# Altium PCB as_x31.PcbDoc (part 6 of 6) (continued)
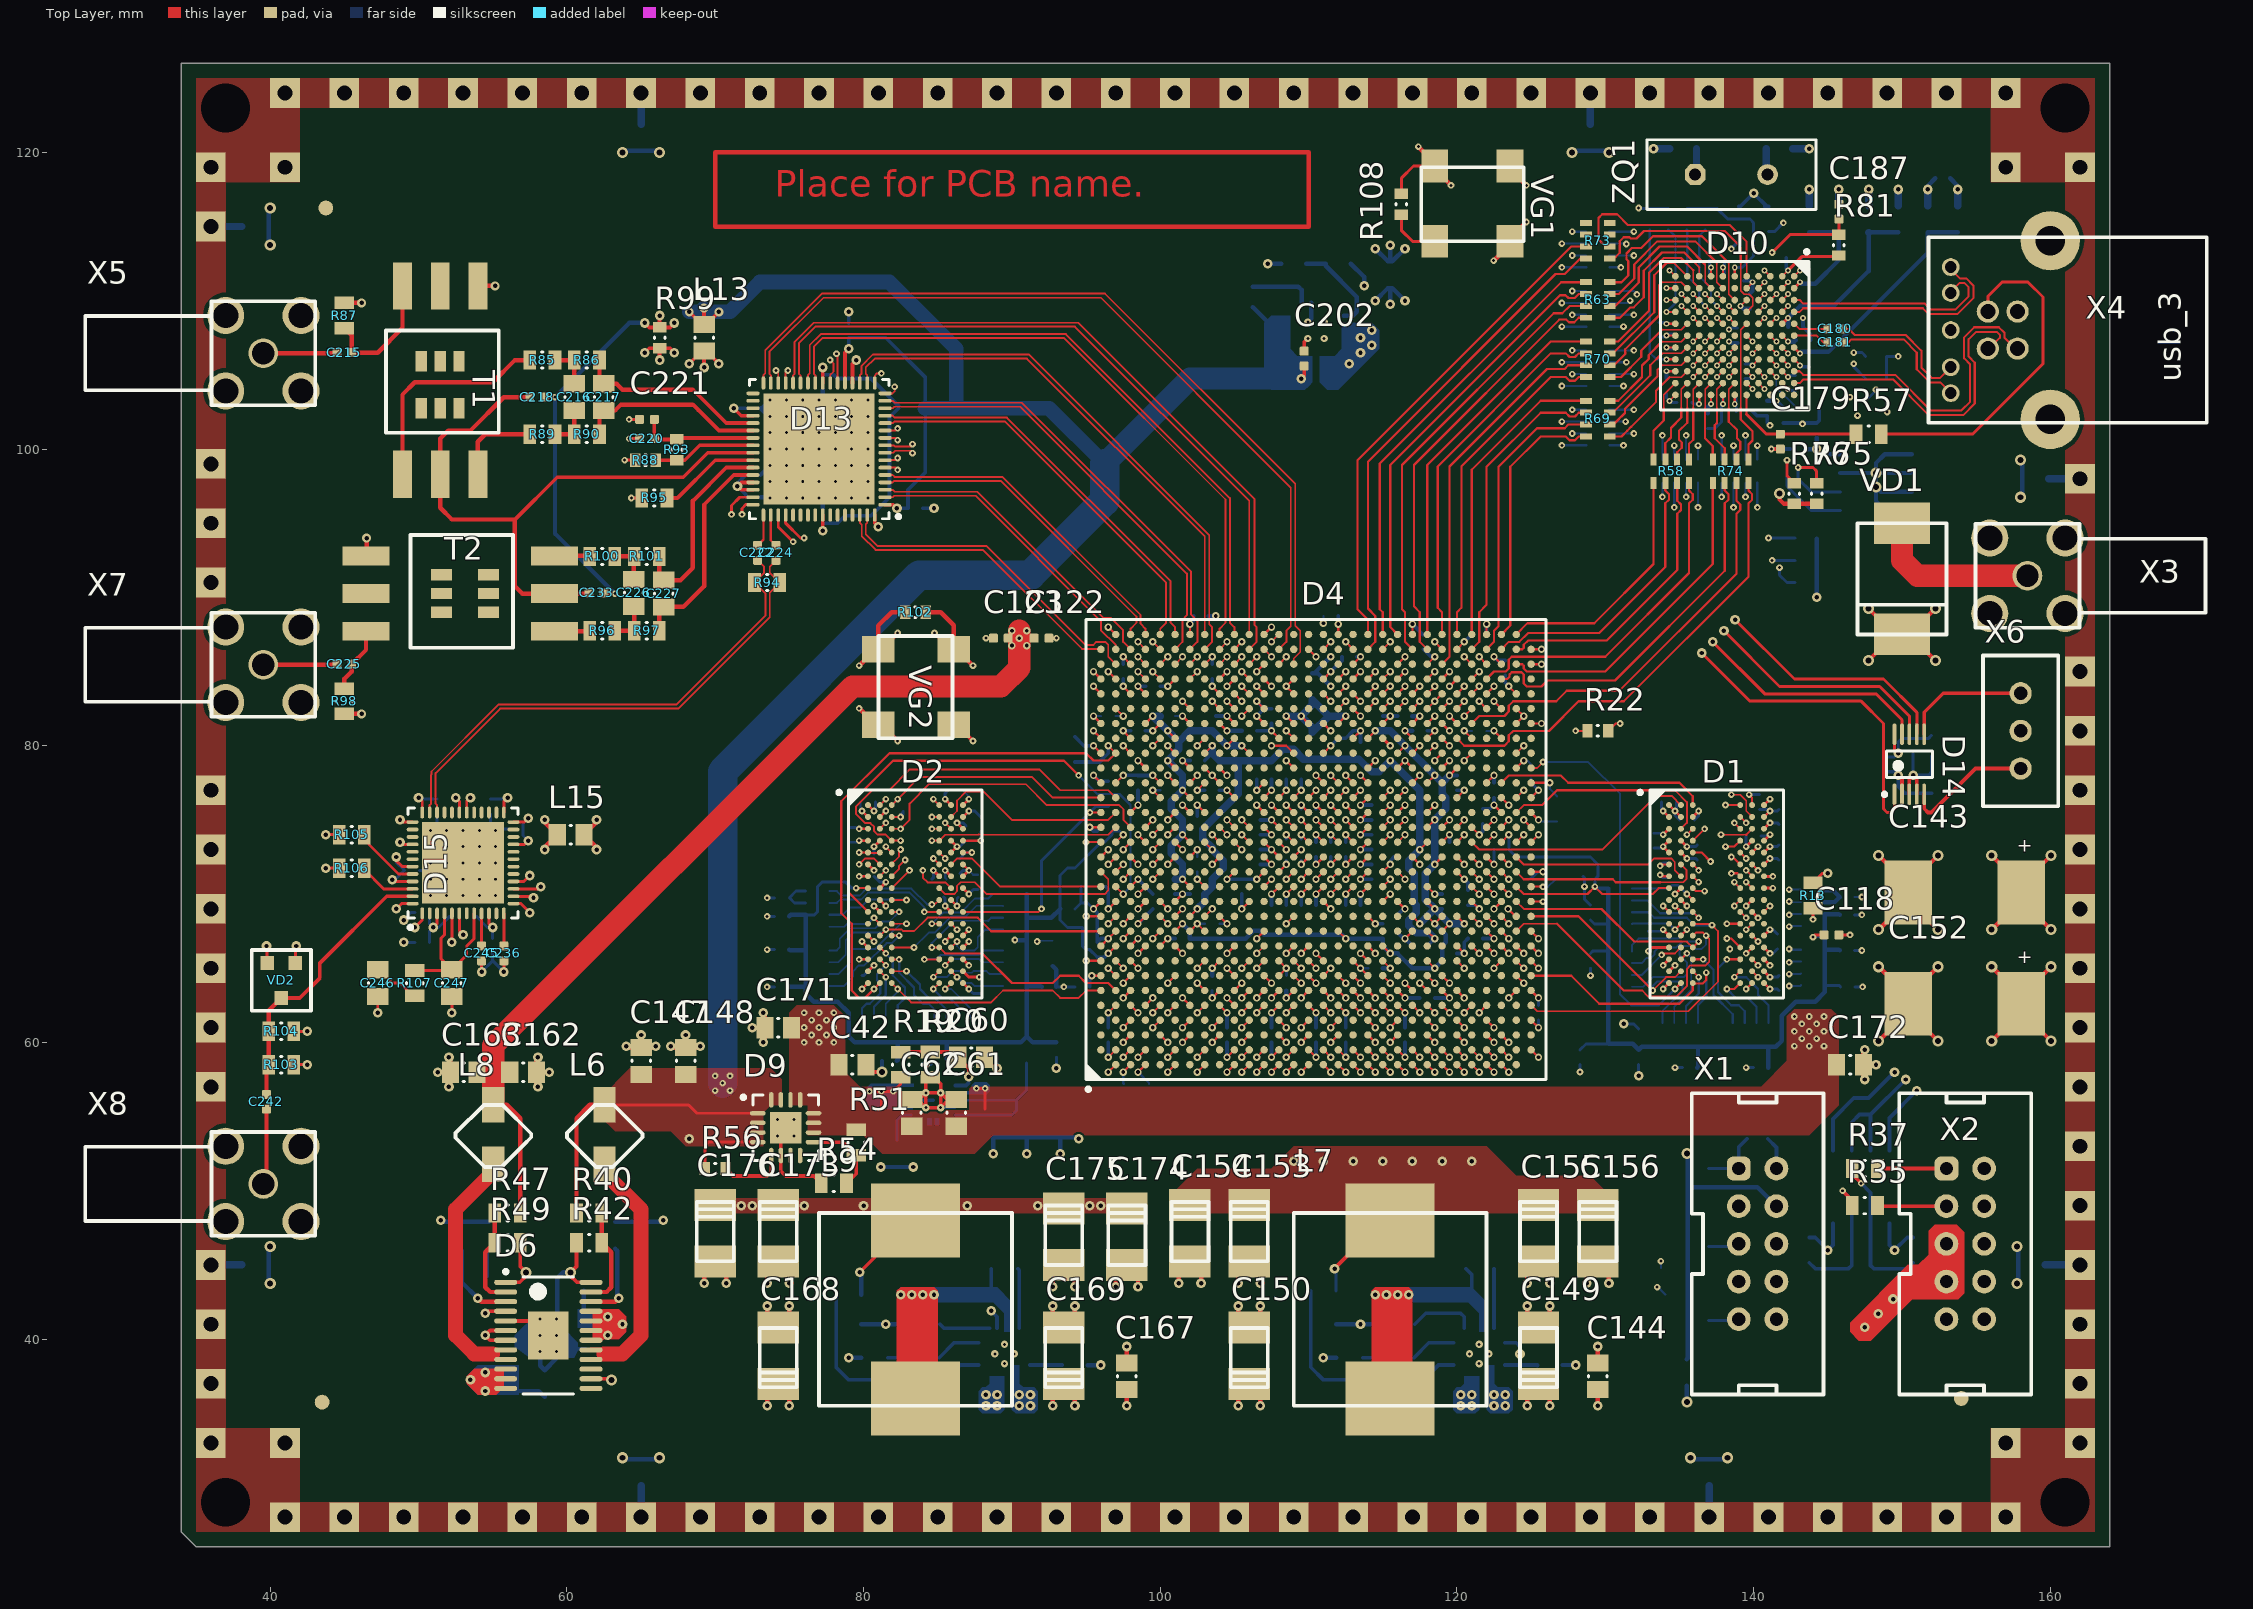
[diagram p0: Top Layer view]
## Nets (pads, with @x,y where several pads share a name; then routed paths per layer and width w, separated by ;. In a path a pad name is that pad's centre, name@x,y a point inside that pad or via, vN(x,y) a via of type N, cw(c..) or ccw(c..) an arc to the next point about the centre after c; other vN are vias at no path point) (continued)
  other v3: 53.5,37.25 54.5,37.75 62.75,40.25 147.5,40.8 63.75,41 62.75,41.5 148.4,41.7 149.4,42.7 71.75,49 72.5,49 76,49 80,49 87,49 91.75,49 95.25,49 96,49 42.5,58.5
VCC_AUX: C82.2 C83.2 C84.2 C85.2 C86.2 D4.AC10 D4.AC16 D4.AD22 D4.G11 D4.H16 D4.H22 L4.1 | length 50.3
  Top Layer w0.15: D4.G11@102,68.5 v1(102.5,69) ; D4.H16@103,73.5 v1(103.5,73) ; D4.H22@103,79.5 v1(103.5,80) ; v1(117.5,73) D4.AC16@118,73.5 ; D4.AC10@118,67.5 v1(118.5,67) ; v1(118.5,79) D4.AD22@119,79.5
  int_2 w0.3: v1(115.5,79) 116.25,78.25 116.75,78.25 117,78.5 117.5,79 v1(118.5,79)
  Bottom Layer w0.25: C86.2@103,79 103.5,79.5 ; C83.2@118,66.5 v1(118.5,67)
  Bottom Layer w0.5: v1(102.5,69) 103,69.5 C82.2@103,70 103.5,70.5 103.5,71 104.25,71.75 104.25,72.25 v1(103.5,73) 103.5,73.116 102.875,73.741 102.875,74.375 105.25,76.75 105.25,79 ; v1(103.5,80) 103.5,79.5 104,79 107.5,79 108.25,79.75 109,79.75 109.65,79.1 L4.1@110.25,79.1 113.4,79.1 114.25,78.25 114.75,78.25 v1(115.5,79) 117.5,77 v1(117.5,73) 116.75,72.25 116.75,71.75 117.125,71.375 117.125,69.375 117.25,69.25 117.25,68.75 116.75,68.25 116.75,67.866 117.241,67.375 118.125,67.375 v1(118.5,67)
VCC_PLL: C70.2 C71.2 C72.2 C73.2 C74.2 D4.AB6 D4.AB23 D4.J8 D4.J24 D4.K6 D4.P6 D4.V6 D4.Y8 L3.1 | length 90.1
  Top Layer w0.15: v1(103.5,65) D4.J8@104,65.5 ; D4.J24@104,81.5 v1(104.5,81) ; D4.K6@105,63.5 v1(105.5,64) ; v1(108.5,63) D4.P6@109,63.5 ; D4.V6@113,63.5 v1(113.5,63) ; D4.Y8@115,65.5 v1(115.5,65) ; v1(116.5,64) D4.AB6@117,63.5 ; v1(116.5,81) D4.AB23@117,80.5
  int_1 w0.3: v1(103.5,65) 103.5,64.5 104,64 v1(105.5,64) 106.5,64 107.75,65.25 107.75,68.5 105.75,70.5 105.75,71.5 106.5,72.25 106.5,75 105.75,75.75 105.75,77.25 106.5,78 108.75,78 109.5,78.75 109.5,81 111,82.5 ; v1(104.5,81) 104.75,81.25 106.75,81.25 110.5,85 ; v1(108.5,63) 109.25,62.25 109.75,62.25 112.75,65.25 112.75,66.25 113.025,66.525 113.25,66.75 113.25,68.5 114.25,69.5 ; v1(111.5,86) 110.5,85 ; v1(113.5,63) v1(115.5,65) ; v1(116.5,64) v1(115.5,65) ; v1(116.5,81) 115.5,81 114.25,79.75 113.75,79.75 ; 110.5,85 v1(111.5,84) 110.75,83.25 110.75,82.75 111,82.5 ; 111,82.5 113.75,79.75 ; 113.75,79.75 113.75,78.75 114.25,78.25 114.25,69.5 ; 114.25,69.5 115.25,68.5 115.25,67.25 116.25,66.25 116.25,65.75 v1(115.5,65)
  Bottom Layer w0.3: C71.2@103.5,64.5 v1(103.5,65) ; v1(104.5,81) C73.2@105.5,81 ; v1(108.5,63) C70.2@108.5,63.5 ; L3.1@110.25,84.9 L3.1@110.4,84.9 ; v1(111.5,84) 110.6,84.9 L3.1@110.4,84.9 ; v1(111.5,86) L3.1@110.4,84.9 ; C74.2@115,65 v1(115.5,65) ; v1(116.5,81) C72.2@117,81
VCCPGM: C95.2 C96.2 C109.2 C110.2 D4.AB24 D4.AC8 D4.AC11 D4.AD11 D4.F10 D4.U10 D4.Y9 L5.1 R25.1 R26.1 R27.2 R28.2 R29.2 R30.1 R31.1 R32.1 X1.4 | length 153.6
  Top Layer w0.15: D4.F10@101,67.5 v1(101.5,68) ; D4.U10@112,67.5 v1(112.5,67) ; D4.Y9@115,66.5 v1(115.5,66) ; D4.AC8@118,65.5 v1(118.5,65) ; D4.AC11@118,68.5 v1(118.5,68) D4.AD11@119,68.5
  Top Layer w0.2: D4.AB24@117,81.5 v1(117.5,82)
  int_2 w0.2: v1(117.5,82) 117,81.5 116,81.5 114,79.5 114,78.5 114.5,78 114.5,69.75 118.5,65.75 v1(118.5,65)
  int_2 w0.3: v1(118.5,65) 119.5,65 124.75,59.75 124.75,58.25 126,57 128.75,57 133.25,52.5 v6(135.5,52.5) 137,54 150.5,54 153.75,57.25 153.75,77.75 144.25,87.25 v3(144.25,90)
  Bottom Layer w0.3: v1(101.5,68) 102,67.5 C95.2@102,67 105.758,67 106.283,67.525 106.718,67.525 106.993,67.25 112.25,67.25 v1(112.5,67) C110.2@115,67 115,66.5 v1(115.5,66) 116,66 117,65 v1(118.5,65) 119,65.5 C109.2@119,66 119,66.5 119.25,66.75 119.25,67.25 v1(118.5,68) ; C96.2@117,82 v1(117.5,82) ; L5.1@135.5,38.65 135.55,38.7 R27.2@135.55,41.25 R25.1@135.55,46.25 135.55,50.25 ; v6(135.5,52.5) 135.55,52.45 R26.1@135.55,51.5 135.55,50.25 ; X1.4@141.54,48.96 140.25,50.25 135.55,50.25 ; v3(144.25,90) 144.25,92.5 R31.1@144.25,93.95
VREF: C220.1 C221.1 D13.39 R93.2 | length 7.9
  Top Layer w0.25: C221.1@65.9,102 C220.1@65.9,100.7 65.95,100.65 R93.2@67.4,100.65 ; R93.2@67.5,100.75 D13.39@72.55,100.75
VREFDDR0: C3.1 C5.1 C7.1 C9.1 C11.1 C13.1 C15.2 C16.2 C19.2 C20.2 C118.2 C119.2 D1.H1 D1.M8 D4.AH16 D4.AJ13 L1.2 R1.3 R1.4 R3.1 R3.2 R3.3 R3.4 R4.1 R4.2 R4.3 R4.4 R6.1 R6.2 R6.3 R6.4 R9.1 R9.2 R9.3 R9.4 R11.1 R11.2 R11.3 R11.4 | length 71.5
  Top Layer w0.15: D4.AH16@123,73.5 v1(123.5,74) ; D4.AJ13@124,70.5 124.5,70 128.8,70 v2(129.3,70.5) 129.8,70 133.2,70 133.6,70.4 D1.H1@134.3,70.4 ; D1.M8@139.9,67.2 v2(140.3,66.8)
  Top Layer w0.2: v2(144,67.1) 144.15,67.25 C118.2@144.75,67.25
  int_1 w0.15: v2(140.3,66.8) 140.4,66.9 143.8,66.9 v2(144,67.1)
  Bottom Layer w0.15: v2(144,67.1) 144.7,67.1 144.8,67
  Bottom Layer w0.2: v1(123.5,74) C19.2@123.5,73 124,72.5 129,72.5 129.5,72 129.5,71.2 129.3,71 v2(129.3,70.5) ; C15.2@128.3,59.5 128.7,59.9 L1.2@130.25,59.9 ; C13.1@129,66 129.15,66.15 R3.4@130.2,66.15 ; C119.2@129,68.25 129.275,67.975 R4.1@130.2,67.975 ; R6.4@144.8,63.85 145.75,63.85 C16.2@145.85,63.75
  Bottom Layer w0.3: v2(129.3,70.5) 129.425,70.375 R4.4@130.2,70.375 R4.3@130.2,69.575 R4.2@130.2,68.775 R4.1@130.2,67.975 R3.4@130.2,66.15 R3.3@130.2,65.35 R3.2@130.2,64.55 R3.1@130.2,63.75 130.2,59.95 L1.2@130.25,59.9 131.85,59.9 C20.2@132.25,59.5 132.45,59.7 R9.4@133.85,59.7 R9.1@136.25,59.7 ; C9.1@136.2,58.3 136.25,58.35 R9.1@136.25,59.7 ; C7.1@141,58.3 R11.1@141,59.7 ; C5.1@145.8,66.2 145.75,66.25 R6.1@144.8,66.25 ; C3.1@145.8,68.6 145.75,68.65 R1.3@144.8,68.65 R1.4@144.8,67.85 R6.1@144.8,66.25 ; R9.1@136.25,59.7 R11.4@138.6,59.7 R11.3@139.4,59.7 R11.2@140.2,59.7 R11.1@141,59.7 ; R11.1@141,59.7 141.5,59.7 141.9,60.1 141.9,61.8 142.85,62.75 144.15,62.75 144.8,63.4 R6.4@144.8,63.85 R6.1@144.8,66.25
VREFDDR1: C4.1 C6.1 C8.1 C10.1 C12.1 C14.1 C17.2 C18.2 C21.2 C22.2 C120.2 C121.2 D2.H1 D2.M8 D4.B9 D4.B16 L2.2 R2.1 R2.2 R5.1 R5.2 R5.3 R5.4 R7.1 R7.2 R7.3 R7.4 R8.1 R8.2 R8.3 R8.4 R10.1 R10.2 R10.3 R10.4 R12.1 R12.2 R12.3 R12.4 | length 71.9
  Top Layer w0.15: v2(79.5,70.4) D2.H1@80.3,70.4 ; v2(85.5,66.8) D2.M8@85.9,67.2 ; v1(96.5,66) D4.B9@97,66.5 ; D4.B16@97,73.5 v1(97.5,74)
  int_1 w0.15: v2(85.5,66.8) 85.699,66.8 86.124,66.375 89.675,66.375 v2(90.2,66.9)
  Bottom Layer w0.2: R2.2@76.1,68.6 76.7,68.6 76.9,68.8 76.9,70.5 77.2,70.8 78.8,70.8 79.2,70.4 v2(79.5,70.4) ; C21.2@95.75,65.75 95.25,66.25 95,66.25 94.75,66.5 C121.2@94.75,67.75 93.75,67.75 93.25,68.25 C14.1@93.25,69 93.25,71.25 93.75,71.75 94.25,71.75 96,73.5 96.25,73.5 96.75,74 C120.2@96.75,74.25 97.25,74.25 v1(97.5,74)
  Bottom Layer w0.25: C21.2@95.75,65.75 96.25,65.75 v1(96.5,66)
  Bottom Layer w0.3: C17.2@75,63.75 76.05,63.75 R5.1@76.1,63.8 ; C6.1@75,66.25 75.05,66.2 R5.4@76.1,66.2 ; C4.1@75,68.5 75.1,68.6 R2.2@76.1,68.6 R2.1@76.1,67.8 R5.4@76.1,66.2 ; C8.1@82.25,58.75 82.3,58.8 R10.1@82.3,60 ; C10.1@85.75,58.75 85.6,58.9 R8.3@85.6,60 ; v2(90.2,66.9) 91,66.9 ; R7.1@91,70 R7.3@91,68.4 ; C12.1@92,63.75 91.95,63.8 R12.4@91,63.8 ; C18.2@93,60 91.4,60 L2.2@91,60.4 ; C14.1@93.25,69 92.65,68.4 R7.3@91,68.4 ; R5.1@76.1,63.8 R5.2@76.1,64.6 R5.3@76.1,65.4 R5.4@76.1,66.2 ; R5.1@76.1,63.8 76.1,63.3 76.65,62.75 78.25,62.75 79,62 79,60.4 79.4,60 R10.4@79.9,60 R10.3@80.7,60 R10.2@81.5,60 R10.1@82.3,60 ; R10.1@82.3,60 R8.3@85.6,60 ; R8.3@85.6,60 R8.1@87.2,60 C22.2@89,60 90.6,60 L2.2@91,60.4 ; L2.2@91,60.4 91,61.9 R12.4@91,63.8 ; R12.4@91,63.8 R12.3@91,64.6 R12.2@91,65.4 R12.1@91,66.2 91,66.9 ; 91,66.9 R7.3@91,68.4
pads on no net: 1.0 2.0 3.0 ?.0 D1.J1 D1.J9 D1.L1 D1.L9 D1.M7 D2.J1 D2.J9 D2.L1 D2.L9 D2.M7 D3.9 D4.A2 D4.A3 D4.A4 D4.A5 D4.A21 D4.A25 D4.A28 D4.AA7 D4.AA8 D4.AA9 D4.AA10 D4.AA11 D4.AA13 D4.AA15 D4.AA20 D4.AA23 D4.AA24 D4.AA29 D4.AB3 D4.AB4 D4.AB7 D4.AB8 D4.AB9 D4.AB12 D4.AB13 D4.AB14 D4.AB16 D4.AB17 D4.AB18 D4.AB19 D4.AB27 D4.AB28 D4.AC9 D4.AC14 D4.AC15 D4.AC19 D4.AC21 D4.AD3 D4.AD4 D4.AD8 D4.AD9 D4.AD12 D4.AD13 D4.AD14 D4.AD18 D4.AD19 D4.AD20 D4.AE5 D4.AE7 D4.AE10 D4.AE12 D4.AE13 D4.AE18 D4.AE20 D4.AE22 D4.AE28 D4.AF3 D4.AF4 D4.AF6 D4.AF7 D4.AF8 D4.AF10 D4.AF18 D4.AF19 D4.AF20 D4.AF21 D4.AG6 D4.AG7 D4.AG8 D4.AG12 D4.AG18 D4.AG19 D4.AG21 D4.AG22 D4.AG23 D4.AG24 D4.AH4 D4.AH5 D4.AH6 D4.AH7 D4.AH21 D4.AH22 D4.AH24 D4.AH26 D4.AJ1 D4.AJ2 D4.AJ3 D4.AJ4 D4.AJ5 D4.AJ17 D4.AJ20 D4.AJ23 D4.AJ27 D4.AK3 D4.AK15 D4.AK22 D4.AK23 D4.AK25 D4.AK26 D4.AK27 D4.B3 D4.B4 D4.B21 D4.B23 D4.B24 D4.B26 D4.C12 D4.C19 D4.C20 D4.C21 D4.C24 D4.C25 D4.C27 D4.D3 D4.D4 D4.D6 D4.D7 D4.D8 D4.D10 D4.D14 D4.D15 D4.D18 D4.D19 D4.D20 D4.D22 D4.D23 D4.D25 D4.E1 D4.E2 D4.E6 D4.E7 D4.E8 D4.E13 D4.E18 D4.E21 D4.E22 D4.E25 D4.E26 D4.F3 D4.F4 D4.F6 D4.F8 D4.F13 D4.F14 D4.F19 D4.F24 D4.F25 D4.F26 D4.G1 D4.G2 D4.G6 D4.G7 D4.G8 D4.G9 D4.G12 D4.G14 D4.G17 D4.G22 D4.G23 D4.G26 D4.H3 D4.H4 D4.H7 D4.H9 D4.H12 D4.H14 D4.H15 D4.H17 D4.H19 D4.H24 D4.H25 D4.H26 D4.H27 D4.J1 D4.J2 D4.J7 D4.J9 D4.J10 D4.J12 D4.J13 D4.J14 D4.J18 D4.J19 D4.J22 D4.J23 D4.K3 D4.K4 D4.K8 D4.K10 D4.K11 D4.K12 D4.K13 D4.K15 D4.K18 D4.K20 D4.K21 D4.K22 D4.L7 D4.L9 D4.L10 D4.L11 D4.L13 D4.L14 D4.L15 D4.L18 D4.L19 D4.L20 D4.L21 D4.L23 D4.L24 D4.M3 D4.M4 D4.M11 D4.M12 D4.M21 D4.M22 D4.M23 D4.N9 D4.N10 D4.N11 D4.N12 D4.N20 D4.N21 D4.N22 D4.N24 D4.N25 D4.N26 D4.N27 D4.P3 D4.P4 D4.P10 D4.P12 D4.P20 D4.P25 D4.P29 D4.P30 D4.R10 D4.R11 D4.R12 D4.R20 D4.R21 D4.R22 D4.R23 D4.R25 D4.R26 D4.R27 D4.R28 D4.R30 D4.T3 D4.T4 D4.T9 D4.T10 D4.T11 D4.T21 D4.T23 D4.T25 D4.T28 D4.T30 D4.U8 D4.U9 D4.U11 D4.U12 D4.U21 D4.U22 D4.U23 D4.U28 D4.U29 D4.V3 D4.V4 D4.V9 D4.V10 D4.V11 D4.V12 D4.V21 D4.V22 D4.V24 D4.V30 D4.W10 D4.W12 D4.W22 D4.W24 D4.W28 D4.Y3 D4.Y4 D4.Y10 D4.Y11 D4.Y15 D4.Y20 D4.Y21 D4.Y22 D4.Y28 D6.13 D6.15 D7.10 D8.14 D9.7 D9.8 D10.A11 D10.B11 D10.C2 D10.C4 D10.C10 D10.D1 D10.D6 D10.D11 D10.E7 D10.E8 D10.F2 D10.F6 D12.7 D12.8 D13.33 D13.34 D13.35 D13.53 D13.54 D13.55 D13.56 D13.58 D13.59 D13.60 D13.61 D15.2 D15.7 D15.11 D15.17 D15.18 D15.19 D15.20 D15.22 D15.23 D15.26 D15.27 D15.28 D15.29 D15.32 D15.33 D15.38 D15.39 D15.41 D15.42 R73.1 R73.2 R73.7 R73.8 T1.5 T1.11 T1.12 T1.13 T1.14 T1.15 T1.16 T2.5 T2.11 T2.12 T2.13 T2.14 T2.15 T2.16 X1.6 X1.7 X1.8
copper on no net: | length 90
  Top Layer w0.3: 70,115 110,115 110,120 105,120 70,120 70,115

## Polygon pours and split planes (outlines as drawn)
V3P3D on Top Layer "tl_3v3_source" (solid, remove dead copper, pour order 78): 98.5,48.5 98.5,49.5 69.5,49.5 69.5,48.5
V1P1D on Top Layer "Top Layer-v1p1d" (solid, remove dead copper, pour order 77): 109,53 122,53 124,51 129,51 130,50 130,49.04 129.5,48.5 101.5,48.5 101,49 101,50 102.5,51.5 107.5,51.5
SHIELD on Top Layer "case" (solid, pour order 64): 156.5,27 156.5,29 41.5,29 41.5,27
SHIELD on Top Layer "case" (solid, pour order 56): 37,33.5 37,118.5 35,118.5 35,33.5
SHIELD on Top Layer "case" (solid, pour order 46): 161,33.5 163,33.5 163,118.5 161,118.5
SHIELD on Top Layer "Top Layer-No Net 1" (solid, pour order 55): 42,27 42,34 35,34 35,27
SHIELD on Top Layer "Top Layer-No Net 1" (solid, pour order 63): 163,27 163,34 156,34 156,27
SHIELD on Top Layer "Top Layer-No Net 1" (solid, pour order 68): 163,118 156,118 156,125 163,125
SHIELD on Top Layer "Top Layer-No Net 1" (solid, pour order 72): 156.5,123 156.5,125 41.5,125 41.5,123
SHIELD on Top Layer "Top Layer-No Net 1" (solid, pour order 76): 42,118 42,125 35,125 35,118
V1P5D on Top Layer "tl_1v5" (solid, pour order 51): 88.75,54 88.75,53.75 87.5,52.5 81.25,52.5 80,53.75 79.75,53.75 80,54
V1P8D on Top Layer "tl_1v8" (solid, pour order 42): 74.5,56 74.5,57.5 73.75,58.25 64.25,58.25 62.25,56.25 62.25,55 63.25,54 67,54 68,53 73.25,53 73.25,55.25 73.75,55.75 74.25,55.75
V1P5D on Top Layer "tl_1v5" (solid, pour order 48): 145.75,61.75 145.25,62.25 142.75,62.25 142.25,61.75 142.25,58.75 140.5,57 79.75,57 78.75,58 78.75,61.75 78,62.5 75.5,62.5 75,62 75,55.75 76.25,55.75 76.25,53.75 143.75,53.75 145.75,55.75
SHIELD on Bottom Layer "case" (solid, pour order 62): 156.5,27 156.5,29 41.5,29 41.5,27
SHIELD on Bottom Layer "case" (solid, pour order 54): 37,33.5 37,118.5 35,118.5 35,33.5
SHIELD on Bottom Layer "case" (solid, pour order 45): 161,33.5 163,33.5 163,118.5 161,118.5
SHIELD on Bottom Layer "Top Layer-No Net 1" (solid, pour order 53): 42,27 42,34 35,34 35,27
SHIELD on Bottom Layer "Top Layer-No Net 1" (solid, pour order 61): 163,27 163,34 156,34 156,27
SHIELD on Bottom Layer "Top Layer-No Net 1" (solid, pour order 67): 163,118 156,118 156,125 163,125
SHIELD on Bottom Layer "Top Layer-No Net 1" (solid, pour order 71): 156.5,123 156.5,125 41.5,125 41.5,123
SHIELD on Bottom Layer "Top Layer-No Net 1" (solid, pour order 75): 42,118 42,125 35,125 35,118
0V on Bottom Layer "0v_9517" (solid, remove dead copper, pour order 43): 49,77.5 57.75,77.5 58.75,76.5 58.75,68.5 56.5,66.25 48.5,66.25 47.5,67.25 47.5,76
V0P75D on Bottom Layer "bl_0v75" (solid, pour order 44): 130.5,58 131,57.5 131,56.5 129.5,55 86.25,55 86.25,56.25 89.75,56.25 90.25,56.75 90.25,58 90.75,58.5 91.25,58.5 91.75,58 91.75,56.75 92.25,56.25 128.75,56.25 129.5,57 129.5,57.5 130,58
SHIELD on int_2 "case" (solid, pour order 60): 156.5,27 156.5,29 41.5,29 41.5,27
SHIELD on int_2 "case" (solid, pour order 52): 37,33.5 37,118.5 35,118.5 35,33.5
SHIELD on int_2 "case" (solid, pour order 41): 161,33.5 163,33.5 163,118.5 161,118.5
SHIELD on int_2 "Top Layer-No Net 1" (solid, pour order 50): 42,27 42,34 35,34 35,27
SHIELD on int_2 "Top Layer-No Net 1" (solid, pour order 59): 163,27 163,34 156,34 156,27
SHIELD on int_2 "Top Layer-No Net 1" (solid, pour order 66): 163,118 156,118 156,125 163,125
SHIELD on int_2 "Top Layer-No Net 1" (solid, pour order 70): 156.5,123 156.5,125 41.5,125 41.5,123
SHIELD on int_2 "Top Layer-No Net 1" (solid, pour order 74): 42,118 42,125 35,125 35,118
SHIELD on int_1 "case" (solid, pour order 58): 156.5,27 156.5,29 41.5,29 41.5,27
SHIELD on int_1 "case" (solid, pour order 49): 37,33.5 37,118.5 35,118.5 35,33.5
SHIELD on int_1 "case" (solid, pour order 40): 161,33.5 163,33.5 163,118.5 161,118.5
SHIELD on int_1 "Top Layer-No Net 1" (solid, pour order 47): 42,27 42,34 35,34 35,27
SHIELD on int_1 "Top Layer-No Net 1" (solid, pour order 57): 163,27 163,34 156,34 156,27
SHIELD on int_1 "Top Layer-No Net 1" (solid, pour order 65): 163,118 156,118 156,125 163,125
SHIELD on int_1 "Top Layer-No Net 1" (solid, pour order 69): 156.5,123 156.5,125 41.5,125 41.5,123
SHIELD on int_1 "Top Layer-No Net 1" (solid, pour order 73): 42,118 42,125 35,125 35,118
0VA on Ground_1 (split plane): 60.857,110.857 63.857,107.857 64.357,107.357 64.399,107.325 64.448,107.305 64.5,107.298 69.916,107.298 72.857,104.357 72.899,104.325 72.948,104.305 73,104.298 80.916,104.298 81.298,103.916 81.298,96.084 80.916,95.702 73.084,95.702 72.643,96.143 72.143,96.643 72.101,96.675 72.052,96.695 72,96.702 71,96.702 70.948,96.695 70.899,96.675 70.857,96.643 69.857,95.643 69.825,95.601 69.805,95.552 69.798,95.5 69.798,89.084 68.357,87.643 65.916,85.202 52.5,85.202 52.448,85.195 52.399,85.175 52.381,85.161 52.357,85.143 47.916,80.702 34.352,80.702 34.352,111.298 43.5,111.298 43.552,111.305 43.601,111.325 43.643,111.357 45.584,113.298 58.416,113.298
0V on Ground_1 (split plane): 163.648,26.352 35.146,26.352 34.352,27.146 34.352,80.298 48,80.298 48.052,80.305 48.101,80.325 48.143,80.357 52.584,84.798 66,84.798 66.052,84.805 66.101,84.825 66.143,84.857 68.643,87.357 70.143,88.857 70.175,88.899 70.183,88.919 70.195,88.948 70.202,89 70.202,95.416 71.084,96.298 71.916,96.298 72.357,95.857 72.857,95.357 72.899,95.325 72.948,95.305 73,95.298 81,95.298 81.052,95.305 81.101,95.325 81.143,95.357 81.643,95.857 81.675,95.899 81.695,95.948 81.702,96 81.702,104 81.695,104.052 81.675,104.101 81.643,104.143 81.143,104.643 81.101,104.675 81.052,104.695 81,104.702 73.084,104.702 70.143,107.643 70.101,107.675 70.052,107.695 70,107.702 64.584,107.702 64.143,108.143 61.143,111.143 58.643,113.643 58.601,113.675 58.552,113.695 58.5,113.702 45.5,113.702 45.448,113.695 45.399,113.675 45.357,113.643 43.416,111.702 34.352,111.702 34.352,125.648 163.648,125.648
V1P2D on Power (split plane): 152.748,117.896 152.748,117.104 144.322,108.678 144.282,108.626 144.256,108.565 144.248,108.5 144.248,104.421 142.425,102.598 133.758,102.598 132.928,103.428 132.876,103.468 132.815,103.494 132.75,103.502 113.354,103.502 112.252,104.604 112.252,110.396 113.354,111.498 131.75,111.498 131.815,111.506 131.876,111.532 131.928,111.572 133.604,113.248 137.5,113.248 137.565,113.256 137.626,113.282 137.678,113.322 143.104,118.748 151.896,118.748
V2P5D on Power (split plane): 123.498,88.646 123.498,84.752 123.435,84.744 123.374,84.718 123.352,84.702 123,84.702 122.948,84.695 122.899,84.675 122.857,84.643 122.825,84.601 122.805,84.552 122.798,84.5 122.798,83.702 122,83.702 121.948,83.695 121.899,83.675 121.857,83.643 121.825,83.601 121.805,83.552 121.798,83.5 121.798,82.584 119.916,80.702 119,80.702 118.948,80.695 118.899,80.675 118.857,80.643 118.825,80.601 118.805,80.552 118.798,80.5 118.798,79.702 118,79.702 117.948,79.695 117.899,79.675 117.857,79.643 117.825,79.601 117.805,79.552 117.798,79.5 117.798,78.702 117,78.702 116.948,78.695 116.899,78.675 116.857,78.643 116.416,78.202 114.655,78.202 114.178,78.678 114.146,78.703 114.126,78.718 114.065,78.744 114.02,78.75 114,78.752 106.004,78.752 102.078,82.678 102.026,82.718 101.965,82.744 101.9,82.752 97.7,82.752 94.604,82.752 93.428,83.928 93.376,83.968 93.315,83.994 93.25,84.002 90.104,84.002 89.002,85.104 89.002,88.646 90.104,89.748 122.396,89.748
V1P5D on Power (split plane): 105.722,78.322 105.774,78.282 105.835,78.256 105.9,78.248 106.744,78.248 106.748,77.399 106.754,77.35 106.748,77.3 106.748,76.5 106.748,67 106.756,66.935 106.782,66.874 106.822,66.822 107.248,66.396 107.248,65.004 106.512,64.269 103.668,64.366 103.639,64.363 103.609,64.361 103.606,64.36 103.603,64.36 103.575,64.349 103.547,64.34 103.544,64.338 103.541,64.337 103.517,64.319 103.492,64.303 98.316,59.702 75.834,59.702 75.677,59.858 75.677,73.321 81.354,78.998 91.25,78.998 91.315,79.006 91.376,79.032 91.428,79.072 94.604,82.248 97.7,82.248 101.796,82.248
V1P5D on Power (split plane): 123.374,84.282 123.435,84.256 123.5,84.248 126.896,84.248 130.572,80.572 130.624,80.532 130.685,80.506 130.75,80.498 138.146,80.498 142.048,76.596 142.048,73.2 142.056,73.135 142.082,73.074 142.122,73.022 145.248,69.896 145.248,59.854 144.621,59.227 126.622,59.227 114.752,69.987 114.752,76.25 114.752,77.798 116.5,77.798 116.552,77.805 116.601,77.825 116.643,77.857 117.084,78.298 118,78.298 118.052,78.305 118.101,78.325 118.143,78.357 118.175,78.399 118.195,78.448 118.202,78.5 118.202,79.298 119,79.298 119.052,79.305 119.101,79.325 119.143,79.357 119.175,79.399 119.195,79.448 119.202,79.5 119.202,80.298 120,80.298 120.052,80.305 120.101,80.325 120.143,80.357 122.143,82.357 122.175,82.399 122.195,82.448 122.202,82.5 122.202,83.298 123,83.298 123.052,83.305 123.101,83.325 123.143,83.357 123.175,83.399 123.195,83.448 123.202,83.5 123.202,84.298 123.352,84.298
V1P1D on Power (split plane): 114.248,77.896 114.248,76.25 114.248,69.875 114.249,69.869 114.248,69.863 114.253,69.836 114.256,69.81 114.259,69.804 114.26,69.798 114.271,69.774 114.282,69.749 114.285,69.744 114.288,69.738 114.305,69.718 114.322,69.697 114.327,69.693 114.331,69.688 126.272,58.864 126.249,56.105 121.396,51.252 103.104,51.252 98.252,56.104 98.252,59.298 98.32,59.298 98.33,59.289 98.389,59.261 98.454,59.248 98.52,59.253 98.582,59.275 98.618,59.299 98.663,59.305 98.712,59.325 98.754,59.357 99.143,59.746 99.175,59.788 99.176,59.791 103.752,63.859 106.605,63.761 106.609,63.762 106.613,63.761 106.642,63.765 106.67,63.768 106.674,63.769 106.678,63.77 106.705,63.781 106.732,63.791 106.735,63.793 106.739,63.795 106.762,63.812 106.785,63.829 106.788,63.832 106.792,63.835 107.678,64.722 107.718,64.774 107.744,64.835 107.752,64.9 107.752,66.5 107.744,66.565 107.718,66.626 107.696,66.656 107.678,66.678 107.252,67.104 107.252,76.5 107.252,77.3 107.246,77.35 107.252,77.401 107.249,78.248 113.896,78.248
V1P8A on Power (split plane): 64.322,107.322 64.374,107.282 64.435,107.256 64.5,107.248 69.896,107.248 72.822,104.322 72.874,104.282 72.935,104.256 73,104.248 80.896,104.248 81.248,103.896 81.248,96.104 80.896,95.752 73.104,95.752 72.178,96.678 72.126,96.718 72.065,96.744 72,96.752 71,96.752 70.935,96.744 70.874,96.718 70.844,96.696 70.822,96.678 69.822,95.678 69.782,95.626 69.756,95.565 69.748,95.5 69.748,89.104 65.896,85.252 52.5,85.252 52.435,85.244 52.374,85.218 52.322,85.178 47.896,80.752 34.301,80.752 34.301,111.248 43.5,111.248 43.565,111.256 43.626,111.282 43.678,111.322 45.604,113.248 58.396,113.248
NetC237_2 on Power (split plane): 58.572,76.322 59.998,74.896 59.998,73.104 58.572,71.678 58.532,71.626 58.506,71.565 58.498,71.5 58.498,68.604 56.396,66.502 48.604,66.502 47.752,67.354 47.752,75.896 49.104,77.248 57.646,77.248
V3P3D on Power (split plane): 163.699,82.752 157.604,82.752 156.178,84.178 154.252,86.104 154.252,90 154.244,90.065 154.218,90.126 154.196,90.156 154.178,90.178 153.178,91.178 153.126,91.218 153.065,91.244 153,91.252 147.5,91.252 147.435,91.244 147.374,91.218 147.344,91.196 147.322,91.178 146.322,90.178 146.282,90.126 146.256,90.065 146.248,90 146.248,85 146.256,84.935 146.282,84.874 146.322,84.822 149.322,81.822 154.248,76.896 154.248,58.104 150.322,54.178 150.282,54.126 150.256,54.065 150.248,54 150.248,42.104 145.896,37.752 70,37.752 69.935,37.744 69.874,37.718 69.822,37.678 66.822,34.678 66.782,34.626 66.756,34.565 66.748,34.5 66.748,26.301 35.125,26.301 34.301,27.125 34.301,80.248 48,80.248 48.065,80.256 48.126,80.282 48.178,80.322 52.604,84.748 66,84.748 66.065,84.756 66.126,84.782 66.178,84.822 70.178,88.822 70.218,88.874 70.244,88.935 70.252,89 70.252,95.396 71.104,96.248 71.896,96.248 72.822,95.322 72.874,95.282 72.935,95.256 73,95.248 81,95.248 81.065,95.256 81.126,95.282 81.178,95.322 81.678,95.822 81.718,95.874 81.744,95.935 81.752,96 81.752,104 81.744,104.065 81.726,104.108 81.718,104.126 81.701,104.149 81.678,104.178 81.178,104.678 81.126,104.718 81.065,104.744 81,104.752 73.104,104.752 70.178,107.678 70.126,107.718 70.065,107.744 70,107.752 64.604,107.752 58.678,113.678 58.626,113.718 58.565,113.744 58.5,113.752 45.5,113.752 45.435,113.744 45.374,113.718 45.322,113.678 43.396,111.752 34.301,111.752 34.301,125.699 163.699,125.699
12V on Power (split plane): 153.748,89.896 153.748,86 153.756,85.935 153.782,85.874 153.822,85.822 155.822,83.822 157.322,82.322 157.374,82.282 157.435,82.256 157.5,82.248 163.699,82.248 163.699,26.301 67.252,26.301 67.252,34.396 70.104,37.248 146,37.248 146.065,37.256 146.126,37.282 146.178,37.322 150.678,41.822 150.718,41.874 150.744,41.935 150.752,42 150.752,53.896 154.678,57.822 154.718,57.874 154.744,57.935 154.752,58 154.752,77 154.744,77.065 154.718,77.126 154.678,77.178 149.678,82.178 146.752,85.104 146.752,89.896 147.604,90.748 152.896,90.748

## Other copper
Top Layer:
  region net V3P3D: 153.7,47.7 154.2,47.2 154.2,43.1 153.8,42.7 150.7,42.7 147.9,39.9 147.1,39.9 146.5,40.5 146.5,41.1 150.4,45 151.1,45 151.8,45.7 151.8,47.3 152.2,47.7
  region net NetC170_2: 82.25,43.25 82.5,43.5 84.75,43.5 85,43.25 85,36.75 82.25,36.75
  region net NetC151_2: 114.25,43.25 114.5,43.5 116.75,43.5 117,43.25 117,36.75 114.25,36.75
  region net V3P3D: 61.75,42 63.5,42 64,41.5 64,40.5 63.5,40 62.5,40 62.25,39.75 61.75,39.75
  region net V3P3D: 55.75,38 53.75,38 53.25,37.5 53.25,37 54,36.25 55.25,36.25 55.75,36.75
  text "Place for PCB name." at 74,117 h1.8
Bottom Layer:
  region net NetC170_2: 90,40.5 90,42.5 89,43.5 82.5,43.5 82.25,43.25 82.25,42.75 82.5,42.5 88.75,42.5 89.5,41.75 89.5,40.5
  region net 0V: 90,38.25 90,35.25 90.25,35 91.5,35 91.75,35.25 91.75,36.5 91.5,36.75 90.75,36.75 90.5,37 90.5,38.25
  region net 12V: 89.5,37.5 89.5,35.25 89.25,35 88,35 87.75,35.25 87.75,36.5 88,36.75 88.25,36.75 88.5,37 88.5,37.5
  region net NetC151_2: 122,40.5 122,42.5 121,43.5 114.5,43.5 114.25,43.25 114.25,42.75 114.5,42.5 120.75,42.5 121.5,41.75 121.5,40.5
  region net 12V: 121.5,37.5 121.5,35.25 121.25,35 120,35 119.75,35.25 119.75,36.5 120,36.75 120.25,36.75 120.5,37 120.5,37.5
  region net 0V: 122,38.25 122,35.25 122.25,35 123.5,35 123.75,35.25 123.75,36.5 123.5,36.75 122.75,36.75 122.5,37 122.5,38.25
  region net V1P5D: 83.4,57 82.6,57 82.4,56.8 82.4,55.9 82.6,55.7 83.3,55.7 83.3,55.5 80.5,55.5 80,56 80,56.7 80.5,57.2 83.4,57.2
  region net V1P5D: 86.1,56.5 88.3,56.5 88.5,56.7 88.5,57.1 88.3,57.3 87.5,57.3 87.3,57.1 87.3,56.9 87.1,56.7 86.1,56.7
  region net V3P3D: 53.25,37.5 54,38.25 56.75,38.25 56.75,36.25 54,36.25 53.25,37
  region net V3P3D: 64,41.5 63.5,42 60.75,42 60.75,40.75 61.75,40.75 62.5,40 63.5,40 64,40.5
  region net 0V: 58,41.75 56.5,40.25 56.5,39.5 57.5,38.75 60.5,38.75 60.75,39.25 60.75,39.75 59.75,40.75 59.75,41.5 59.5,41.75
  region net 0VA: 80.25,103.5 80.5,103.25 80.5,96.75 80.25,96.5 73.75,96.5 73.75,96.65 73.5,96.9 73.5,103.25 73.75,103.5
  region net V1P2D: 112.25,108.5 114.25,108.5 114.75,108 114.75,106.75 112,104 111.25,104 110.75,104.5 110.75,106.25 111.75,106.25 112.25,106.75
  region net V1P8D: 110.25,106.25 110.25,104.5 109.75,104 107.5,104 107,104.5 107,108.5 107.5,109 108.75,109 108.75,106.75 109.25,106.25
Ground_1 (plane layer: these items are gaps in the copper):
  lines w0.4: 34,80.5 48,80.5 52.5,85 66,85 68.5,87.5 70,89 70,95.5 71,96.5 72,96.5 72.5,96 73,95.5 81,95.5 81.5,96 81.5,104 81,104.5 73,104.5 70,107.5 64.5,107.5 64,108 61,111 58.5,113.5 45.5,113.5 43.5,111.5 34,111.5
Power (plane layer: these items are gaps in the copper):
  lines w0.4: 75.425,59.825 75.75,59.5 98.469,59.5 ; 98.611,59.5 99,59.889 ; 123.5,84.5 123,84.5 123,83.5 122,83.5 122,82.5 120,80.5 119,80.5 119,79.5 118,79.5 118,78.5 117,78.5 116.5,78 114.5,78 ; 114.5,78 114.5,78
  lines w0.5: 34,80.5 48,80.5 52.5,85 66,85 70,89 70,95.5 71,96.5 72,96.5 73,95.5 81,95.5 81.5,96 81.5,104 81,104.5 73,104.5 70,107.5 64.5,107.5 58.5,113.5 45.5,113.5 43.5,111.5 34,111.5 ; 67,26 67,34.5 70,37.5 121,37.5 132,37.5 146,37.5 150.5,42 150.5,54 154.5,58 154.5,77 149.5,82 146.5,85 146.5,90 147.5,91 150,91 153,91 154,90 154,86 156,84 157.5,82.5 164,82.5 ; 75.425,59.825 75.425,73.425 81.25,79.25 91.25,79.25 94.5,82.5 ; 98,59.35 98,56 103,51 121.5,51 126.5,56 126.525,58.975 ; 98.469,59.5 103.66,64.114 106.613,64.013 107.5,64.9 107.5,66.5 107,67 107,76.5 107,77.3 ; 106.995,78.5 107,77.4 ; 123.5,84.5 127,84.5 130.75,80.75 138.25,80.75 142.3,76.7 142.3,73.2 145.5,70 145.5,59.75 144.725,58.975 126.525,58.975 ; 123.75,84.5 123.75,88.75 122.5,90 90,90 88.75,88.75 88.75,85 90,83.75 93.25,83.75 94.5,82.5 ; 94.5,82.5 97.7,82.5 101.9,82.5 105.9,78.5 108.091,78.5 109.9,78.5 114,78.5 114.5,78 114.5,76.25 114.5,69.875 126.525,58.975 ; 152,119 152,119 ; 152,119 153,118 153,117 144.5,108.5 144.5,104.317 142.529,102.346 139.029,102.346 133.654,102.346 132.75,103.25 113.25,103.25 112,104.5 112,110.5 113.25,111.75 131.75,111.75 133.5,113.5 137.5,113.5 143,119 152,119 ; 47.5,67.25 47.5,76 49,77.5 57.75,77.5 58.75,76.5 60.25,75 60.25,73 58.75,71.5 58.75,68.5 56.5,66.25 48.5,66.25 47.5,67.25

## Silkscreen, mask and mechanical layers (free items; w line width, h text height)
Mechanical 15:
  lines w0.254: 35,32 40,32 40,27 158,27 158,32 163,32 163,120 158,120 158,125 40,125 40,120 35,120 35,32

## Text inside footprints (layer, text, board x,y; h text height)
C143: Top Overlay "+" at 158.803,73.628 h0.94 r180
C152: Top Overlay "+" at 158.803,66.128 h0.94 r180
X4: Top Overlay "usb_3" at 168.79,104.52 h1.5 r90